# Altium PCB Thunderscope_Rev4.1.PCBDOC (part 3 of 7)
Units mm, origin at the board's own origin, x right, y up, seen from the top; angles counter-clockwise.
Board outline 119 x 103.6 mm, 6 copper layers (Top Layer, Int1 (GND), Int2 (Sign), Int3 (Sign), Int4 (GND), Bottom Layer), stack 1.49 mm thick; 657 components, 383 nets, 2206 pads, 1358 vias.
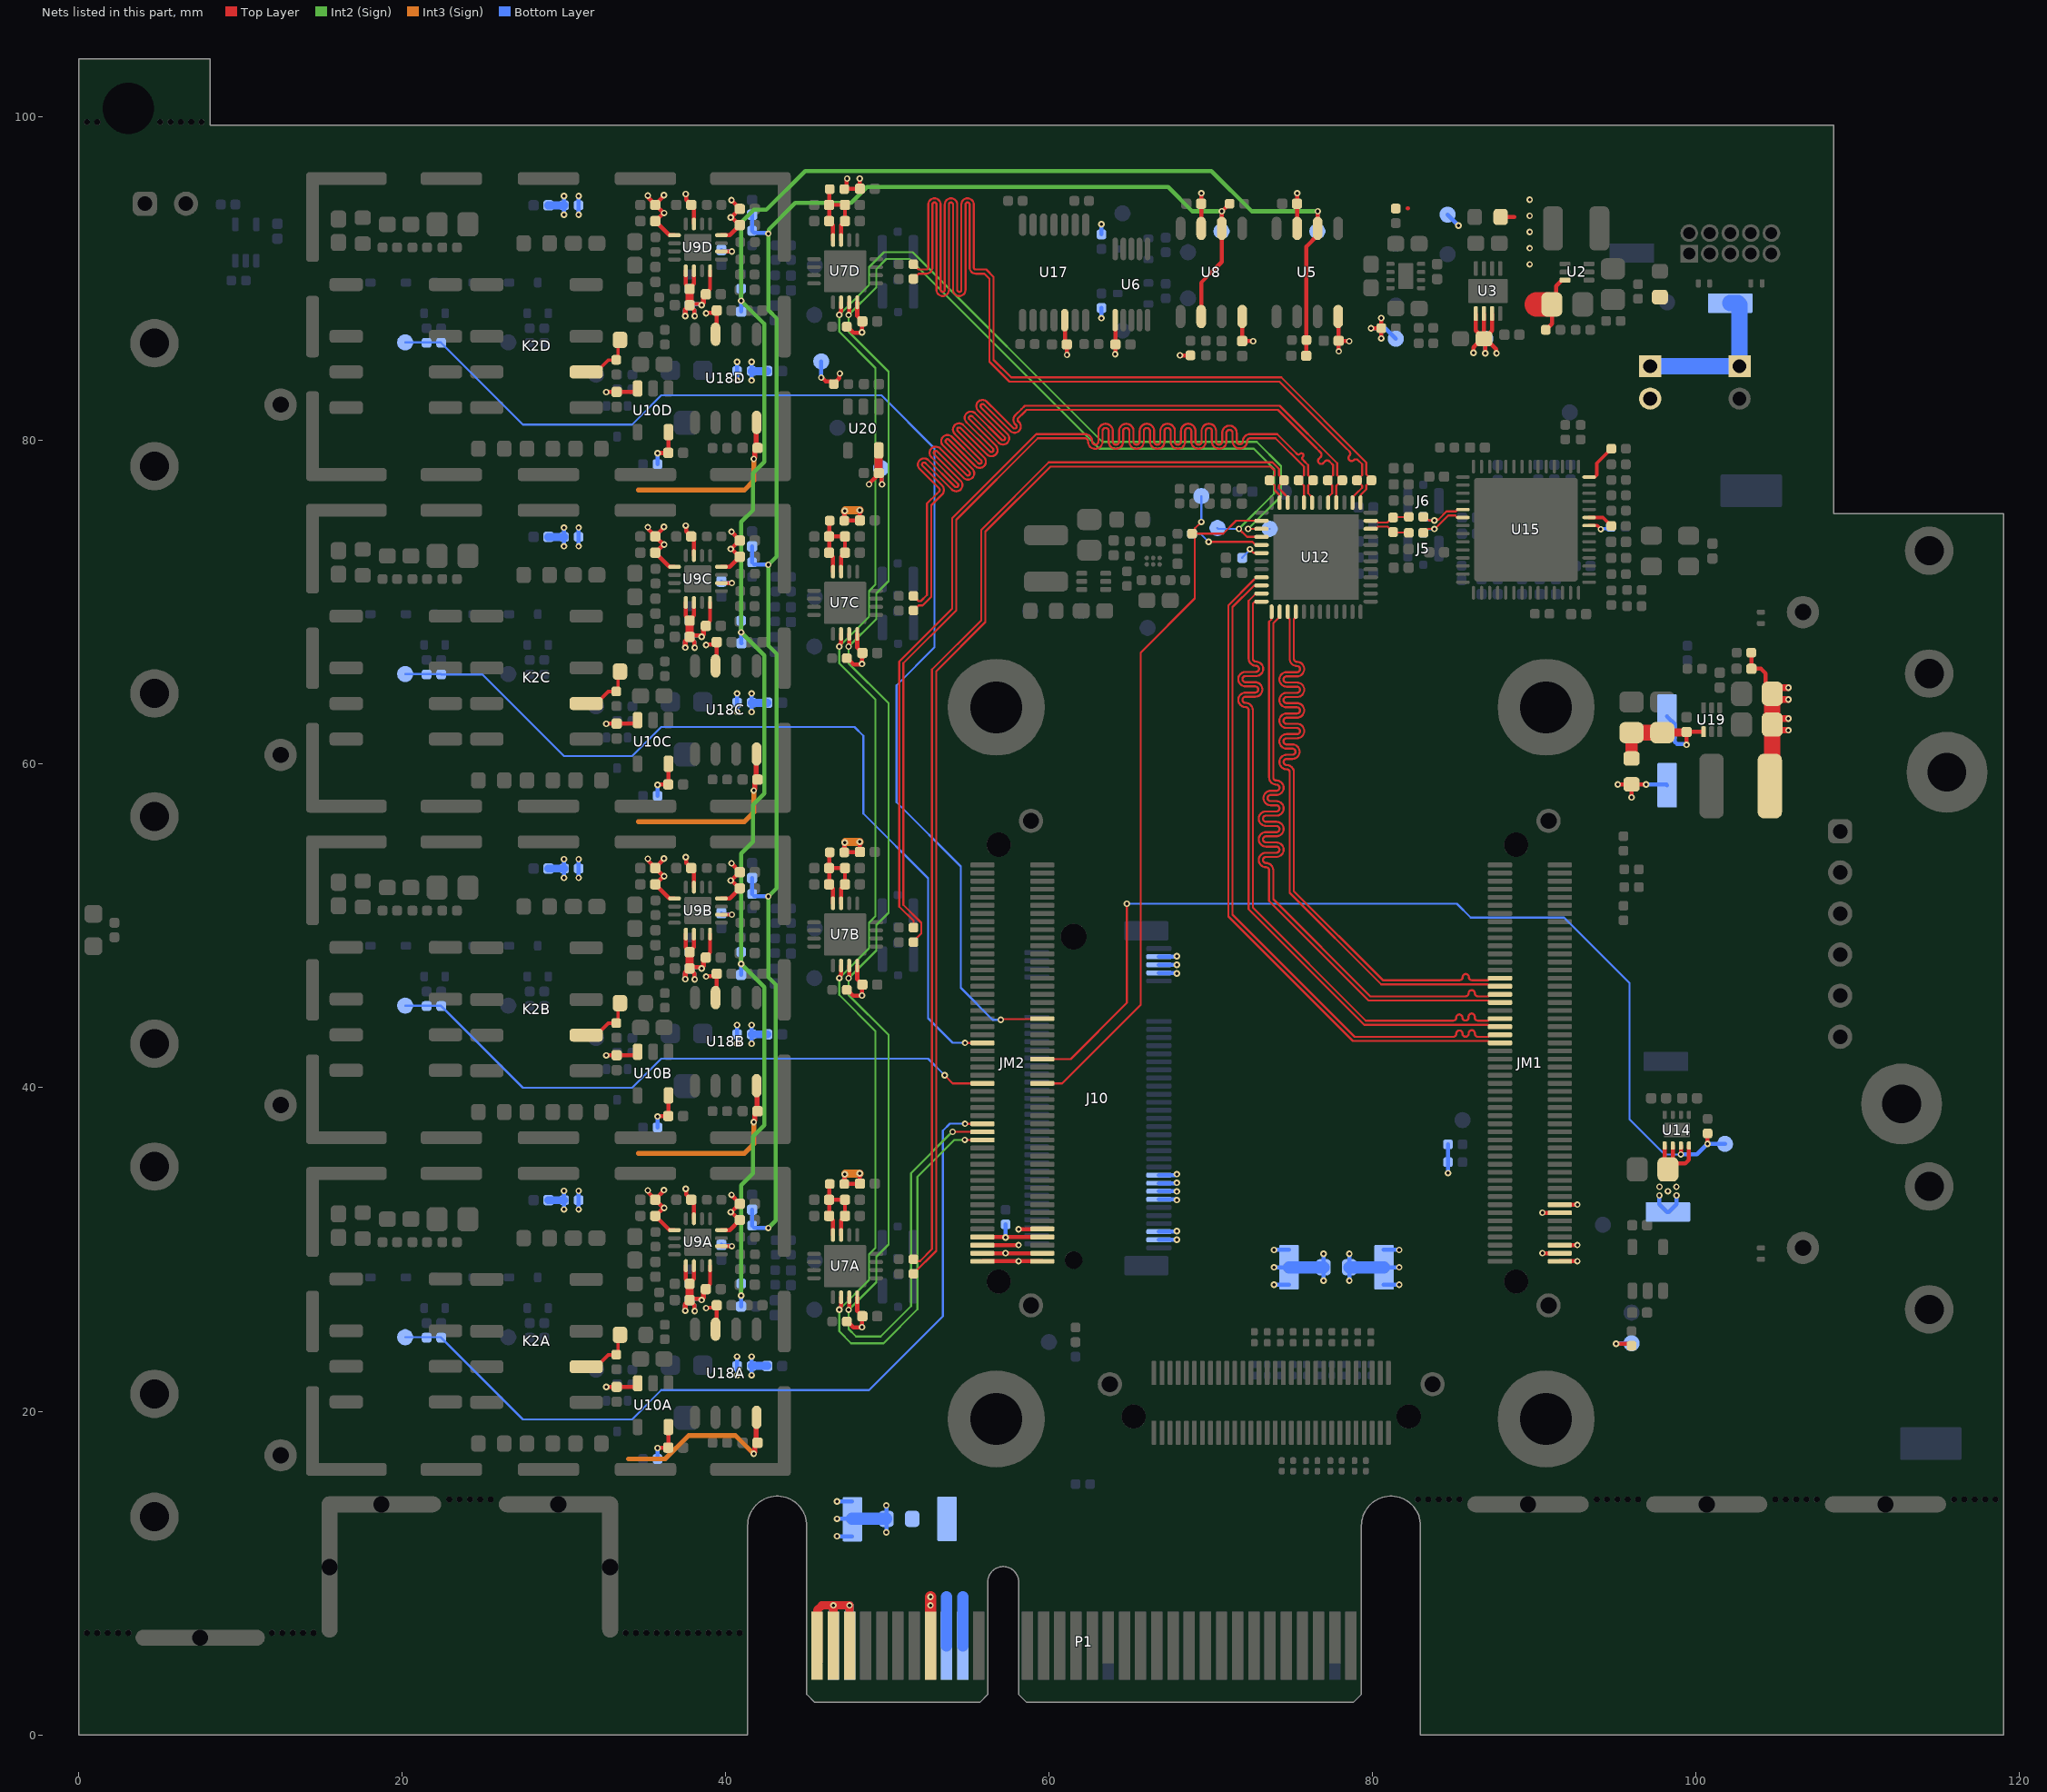
[diagram p7: the nets of this part, all layers, seen from the top]

## Via types
v1: diameter 0.406, hole 0.203, Top Layer to Bottom Layer, tented both sides, 1358 vias

## Nets (pads, with @x,y where several pads share a name; then routed paths per layer and width w, separated by ;. In a path a pad name is that pad's centre, name@x,y a point inside that pad or via, vN(x,y) a via of type N, cw(c..) or ccw(c..) an arc to the next point about the centre after c; other vN are vias at no path point) (continued)
+3V3_IN: C91.2 JM1.2 JM1.4 JM1.6 JM1.14 JM1.16 JM2.1 JM2.2 JM2.3 JM2.4 JM2.5 JM2.7 JM2.8 JM2.10 R66.2 R87.2 R95.2 R101.2 R102.2 R104.1 TP14.1 TP32.1 TP41.1 TP46.1 U14.1 U14.2 U14.4 | length 45.7
  Top Layer w0.254: JM2.1@55.867,29.271 55.869,29.273 58.098,29.273 v1(58.1,29.275) 58.102,29.273 59.565,29.273 JM2.2@59.567,29.271 ; JM2.3@55.867,29.771 55.869,29.773 57.298,29.773 v1(57.3,29.775) 57.302,29.773 59.565,29.773 JM2.4@59.567,29.771 ; JM2.5@55.867,30.271 58.096,30.271 v1(58.1,30.275) ; JM2.7@55.867,30.771 55.877,30.76 57.29,30.76 v1(57.3,30.75) 57.31,30.76 59.557,30.76 JM2.8@59.567,30.771 ; v1(58.1,31.25) 58.11,31.26 59.557,31.26 JM2.10@59.567,31.271 ; v1(90.487,29.775) 90.489,29.773 91.565,29.773 JM1.4@91.567,29.771 ; v1(90.487,32.275) 90.489,32.273 91.565,32.273 JM1.14@91.567,32.271 ; JM1.2@91.567,29.271 91.569,29.273 92.645,29.273 v1(92.647,29.275) ; JM1.6@91.567,30.271 91.569,30.273 92.645,30.273 v1(92.647,30.275) ; JM1.16@91.567,32.771 91.569,32.773 92.645,32.773 v1(92.647,32.775) ; v1(95.05,24.175) 95.875,24.175 R104.1@96,24.05 ; U14.1@98.05,36.425 98.052,36.423 98.052,35.148 C91.2@98.25,34.95 C91.2@98.548,35.248 ; U14.2@98.55,36.425 98.548,36.423 C91.2@98.548,35.248 ; U14.4@99.55,36.425 99.55,35.55 99.309,35.309 98.609,35.309 C91.2@98.548,35.248
  Bottom Layer w0.254: v1(46.87,12.275) TP41.1@47.8,12.275 ; v1(46.87,13.35) TP41.1@47.8,13.35 ; v1(46.87,14.425) TP41.1@47.8,14.425 ; v1(49.925,12.52) R87.2@49.925,13.35 v1(49.925,14.18) ; v1(57.3,30.75) R66.2@57.3,31.55 ; v1(78.55,28.07) R95.2@78.55,28.9 v1(78.55,29.73) ; TP46.1@80.675,27.825 v1(81.63,27.825) ; TP46.1@80.675,28.9 v1(81.63,28.9) ; TP46.1@80.675,29.975 v1(81.63,29.975) ; v1(84.65,34.725) R102.2@84.65,35.4 R101.2@84.65,36.5 ; v1(95.05,24.175) 95.063,24.188 95.988,24.188 TP14.1@96,24.2 ; v1(97.722,33.345) 97.722,32.798 98.195,32.325 TP32.1@98.25,32.325 98.302,32.325 98.775,32.798 v1(98.775,33.345)
  Bottom Layer w0.75: TP41.1@47.8,13.35 R87.2@49.925,13.35 ; R95.2@78.55,28.9 80.675,28.9 TP46.1@80.7,28.9
  other v1: 98.25,33.6 97.727,33.878 98.773,33.878
+3V3_M2: J10.3 J10.5 J10.13 J10.15 J10.17 J10.19 J10.69 J10.71 J10.73 R95.1 TP45.1 | length 16.6
  Bottom Layer w0.254: J10.3@66.775,30.6 v1(67.88,30.6) ; J10.5@66.775,31.1 67.805,31.1 67.839,31.133 v1(67.88,31.133) ; J10.13@66.775,33.1 67.797,33.1 67.839,33.058 v1(67.88,33.058) ; J10.15@66.775,33.6 66.779,33.596 67.876,33.596 v1(67.88,33.592) ; J10.17@66.775,34.1 67.855,34.1 v1(67.88,34.125) ; J10.19@66.775,34.6 67.78,34.6 67.839,34.658 v1(67.88,34.658) ; J10.69@66.775,47.1 66.792,47.083 67.863,47.083 v1(67.88,47.067) ; J10.71@66.775,47.6 v1(67.88,47.6) ; J10.73@66.775,48.1 67.805,48.1 67.839,48.133 v1(67.88,48.133) ; v1(73.895,27.825) TP45.1@74.825,27.825 ; v1(73.895,28.9) TP45.1@74.825,28.9 ; v1(73.895,29.975) TP45.1@74.825,29.975 ; v1(76.95,28.07) R95.1@76.95,28.9 v1(76.95,29.73)
  Bottom Layer w0.75: TP45.1@74.825,28.9 R95.1@76.95,28.9
+3V3_PCIe: P1.A9 P1.A10 P1.B8 R87.1 TP40.1 | length 9.1
  Top Layer w0.7: P1.B8@52.65,5.5 v1(52.65,8) v1(52.65,8.533)
  Bottom Layer w0.7: P1.A9@53.65,5.5 53.65,8.525 ; P1.A10@54.65,5.5 54.65,8.525
+3V3_PGA: C36A.2 C36B.2 C36C.2 C36D.2 C126.2 R51A.2 R51B.2 R51C.2 R51D.2 TP53.1 U7A.12 U7B.12 U7C.12 U7D.12 U20.5 | length 16.5
  Top Layer w0.254: R51A.2@47.5,25.55 47.512,25.55 47.887,25.175 48.4,25.175 v1(48.425,25.2) 48.432,25.207 48.432,25.868 C36A.2@48.44,25.875 48.44,25.893 48.125,26.208 U7A.12@48.125,27.05 ; R51B.2@47.5,46.05 47.512,46.05 47.887,45.675 48.4,45.675 v1(48.425,45.7) 48.432,45.707 48.432,46.368 C36B.2@48.44,46.375 48.44,46.393 48.125,46.708 U7B.12@48.125,47.55 ; R51C.2@47.5,66.55 47.512,66.55 47.887,66.175 48.4,66.175 v1(48.425,66.2) 48.432,66.208 48.432,66.868 C36C.2@48.44,66.875 48.44,66.893 48.125,67.208 U7C.12@48.125,68.05 ; R51D.2@47.5,87.05 47.512,87.05 47.887,86.675 48.4,86.675 v1(48.425,86.7) 48.432,86.707 48.432,87.368 C36D.2@48.44,87.375 48.44,87.393 48.125,87.708 U7D.12@48.125,88.55 ; v1(48.856,77.3) 48.856,77.341 49.287,77.772 49.287,77.827 C126.2@49.46,78 49.621,77.839 49.621,77.329 v1(49.65,77.3)
  Top Layer w0.5: U20.5@49.45,79.4 49.455,79.395 49.455,78.005 C126.2@49.46,78
  Bottom Layer w0.254: TP53.1@49.6,78.3 49.625,78.275 49.625,77.325 v1(49.65,77.3)
+5V: C7.2 C12.1 C13.2 C17.1 C107.2 C111A.2 C111B.2 C111C.2 C111D.2 C132A.2 C132B.2 C132C.2 C132D.2 FB8A.2 FB8B.2 FB8C.2 FB8D.2 FB9A.1 FB9B.1 FB9C.1 FB9D.1 R22.2 R23.2 R24.2 R117.1 TP10.1 TP54.1 U3.1 U3.2 U3.3 U5.7 U6.1 U8.7 U17.12 | length 42.6
  Top Layer w0.254: v1(45.9,83.9) 45.941,83.9 46.182,83.659 46.516,83.659 R117.1@46.675,83.5 46.675,83.512 47.021,83.858 47.021,84.121 v1(47.05,84.15) ; FB8C.2@47.325,75.05 FB8C.2@47.337,75.062 ; v1@47.337,34.638 47.337,34.062 C132A.2@48.277,34.062 ; v1@47.337,55.138 47.337,54.562 C132B.2@48.277,54.562 ; v1(47.35,75.65) 47.337,75.638 FB8C.2@47.337,75.062 ; FB8D.2@47.45,95.55 FB8D.2@47.325,95.55 FB8D.2@47.337,95.562 ; v1(47.5,96.2) 47.5,96.159 47.461,96.119 47.461,95.686 FB8D.2@47.337,95.562 ; v1(48.275,96.2) 48.282,96.193 48.282,95.582 C132D.2@48.29,95.575 48.277,95.562 FB8D.2@47.337,95.562 ; C132C.2@48.277,75.062 FB8C.2@47.337,75.062 ; C132A.2@48.282,34.082 v1@48.282,34.693 ; C132B.2@48.282,54.582 v1@48.282,55.193 ; C132C.2@48.282,75.082 v1@48.282,75.693 ; U17.12@60.95,87.45 60.988,87.412 60.988,86.048 C107.2@61.085,85.95 C107.2@61.091,85.944 ; v1(61.096,85.304) 61.091,85.309 61.091,85.933 C107.2@61.096,85.939 ; v1(64.075,85.35) 64.082,85.357 64.082,85.992 64.09,86 64.083,86.007 64.083,87.443 U6.1@64.075,87.45 ; v1(68.075,85.275) R24.2@68.725,85.275 ; U8.7@69.387,93.127 C17.1@69.387,94.648 ; C17.1@69.39,94.655 v1@69.39,95.295 ; U5.7@75.32,93.125 75.318,93.127 75.318,94.648 C12.1@75.315,94.65 75.32,94.655 75.32,95.295 v1(75.325,95.3) ; v1(86.225,85.425) 86.225,85.775 86.402,85.952 86.417,85.952 86.765,86.3 C7.2@86.875,86.3 ; U3.1@86.375,87.855 86.375,86.81 C7.2@86.875,86.31 ; U3.2@86.875,87.855 C7.2@86.875,86.31 ; v1(86.95,85.4) 86.95,86.075 86.875,86.15 C7.2@86.875,86.3 ; U3.3@87.375,87.855 87.375,86.81 C7.2@86.875,86.31 ; v1(87.65,85.4) 87.621,85.429 87.621,85.654 86.975,86.3 C7.2@86.875,86.3 ; C7.2@86.875,86.3 C7.2@86.875,86.31
  Int3 (Sign) w0.5: v1(47.35,75.65) 47.4,75.7 v1(48.275,75.7) ; v1@47.4,34.7 v1(48.275,34.7) ; v1@47.4,55.2 v1(48.275,55.2)
  Bottom Layer w0.254: v1(41.6,22.225) FB9A.1@41.6,22.8 ; FB9A.1@41.6,22.812 v1(41.6,23.375) ; v1(41.6,42.725) FB9B.1@41.6,43.3 ; FB9B.1@41.6,43.312 v1(41.6,43.875) ; v1(41.6,63.225) FB9C.1@41.6,63.8 ; FB9C.1@41.6,63.812 v1(41.6,64.375) ; v1(41.6,83.725) FB9D.1@41.6,84.3 ; FB9D.1@41.6,84.312 v1(41.6,84.875) ; v1(45.9,83.9) TP54.1@45.9,84.9 ; v1(63.225,87.575) R23.2@63.225,88.2 ; R22.2@63.225,92.75 v1(63.225,93.375) ; v1(86.95,85.4) TP10.1@86.95,86.3
  Bottom Layer w0.5: FB9A.1@41.6,22.8 C111A.2@42.565,22.8 ; FB9B.1@41.6,43.3 C111B.2@42.565,43.3 ; FB9C.1@41.6,63.8 C111C.2@42.565,63.8 ; FB9D.1@41.6,84.3 C111D.2@42.565,84.3
  other v1: 47.35,34.65 47.35,55.15 69.395,95.3
+5V2: C3.2 C118.2 C122.2 C123.2 L3.2 R7.1 R8.1 R10.2 R113.2 TP13.1 U2.6 | length 18.9
  Top Layer w0.254: R8.1@81.425,94.35 R8.1@81.437,94.363 ; 82.163,94.363 82.175,94.375 ; R7.1@87.905,93.825 88.755,93.825 ; R10.2@90.7,86.85 91.075,87.225 C3.2@91.075,88.425 ; C3.2@91.05,88.45 C3.2@91.075,88.425 ; U2.6@91.885,89.925 91.7,89.925 91.337,89.562 91.337,88.687 C3.2@91.075,88.425 ; R113.2@103.4,66.9 103.405,66.895 103.405,65.905 C118.2@103.41,65.9 104,65.9 104.299,65.601 104.299,64.751 C123.2@104.7,64.35 C123.2@105,64.65
  Top Layer w0.406: C122.2@105.075,62.1 v1(105.7,62.1) ; C122.2@105.075,62.825 v1(105.7,62.825) ; C123.2@105.075,64 v1(105.7,64) ; C123.2@105.075,64.725 v1(105.7,64.725)
  Top Layer w0.408: C122.2@104.7,62.45 C122.2@105.075,62.825
  Top Layer w1: L3.2@104.55,58.65 104.7,58.8 C122.2@104.7,62.45 C123.2@104.7,64.35
  Top Layer w1.5: 90.125,88.425 C3.2@90.8,88.425
  Bottom Layer w0.254: TP13.1@84.625,93.975 v1(85.3,93.3)
  other v1: 89.7,90.9 89.7,91.9 89.7,92.9 89.7,93.9 89.7,94.9
+12V: C119.2 C120.2 C121.1 R116.2 TP51.1 U19.1 | length 9.4
  Top Layer w0.254: v1(99.4,61.2) C121.1@99.4,61.99 99.41,62 100.44,62 U19.1@100.45,62.01
  Top Layer w0.5: C120.2@97.9,61.95 97.92,61.97 99.38,61.97 C121.1@99.4,61.99
  Top Layer w0.75: R116.2@96,60.35 C119.2@96,61.95
  Top Layer w1: C119.2@96,61.95 C120.2@97.9,61.95
  Bottom Layer w0.254: TP51.1@98.2,62.95 98.673,62.477 98.673,61.388 98.822,61.239 99.361,61.239 v1(99.4,61.2)
+12V_PCIe: P1.A2 P1.A3 P1.B1 P1.B2 P1.B3 R116.1 TP50.1 | length 18.2
  Top Layer w0.254: v1(95.15,58.75) R116.1@96,58.75 ; v1(96,57.95) R116.1@96,58.75 ; v1(96.9,58.75) R116.1@96,58.75
  Top Layer w0.5: P1.B1@45.65,5.5 45.65,7.707 45.943,8 v1(46.65,8) v1(47.65,8)
  Top Layer w0.508: P1.B2@46.65,5.5 v1(46.65,8) ; P1.B3@47.65,5.5 v1(47.65,8)
  Bottom Layer w0.254: v1(96.9,58.75) 98.15,58.75 TP50.1@98.2,58.7
  Bottom Layer w0.508: P1.A2@46.65,5.5 v1(46.65,8) ; P1.A3@47.65,5.5 v1(47.65,8)
+VBIAS: C130A.1 C130B.1 C130C.1 C130D.1 FB6A.1 FB6B.1 FB6C.1 FB6D.1 R16.1 TP17.1 U8.2 U8.6 | length 109
  Top Layer w0.254: U8.2@69.39,87.675 69.39,89.77 70.66,91.04 U8.6@70.66,93.125 70.665,93.13 70.665,94.175 v1(70.67,94.18) 70.675,94.18 71.145,94.65 R16.1@71.15,94.65
  Int2 (Sign) w0.254: v1(42.625,31.325) 43.075,31.775 43.075,46.375 42.625,46.825 v1(42.625,51.825) 43.15,52.35 43.15,66.8 42.625,67.325 v1(42.625,72.325) 43.15,72.85 43.15,87.55 42.625,88.075 v1(42.625,92.8) 42.654,92.829 42.654,93.054 44.3,94.7 47.75,94.7 48.725,95.675 67.35,95.675 68.845,94.18 v1(70.67,94.18)
  Bottom Layer w0.254: FB6A.1@41.625,31.475 C130A.1@41.625,32.465 ; FB6B.1@41.625,51.975 C130B.1@41.625,52.965 ; FB6C.1@41.625,72.475 C130C.1@41.625,73.465 ; C130D.1@41.625,93.965 FB6D.1@41.625,92.975 41.76,92.84 42.544,92.84 42.584,92.8 v1(42.625,92.8) ; FB6A.1@41.76,31.34 v1@42.544,31.34 ; FB6B.1@41.76,51.84 v1@42.544,51.84 ; FB6C.1@41.76,72.34 v1@42.544,72.34 ; TP17.1@70.65,92.95 70.66,92.96 70.66,94.17 v1(70.67,94.18)
+VFFEA: C37A.2 C38A.1 C39A.1 C63A.1 C64A.2 C78A.2 C101A.2 FB9A.2 R125A.2 U9A.1 U9A.12 U9A.15 U10A.5 U18A.7 | length 16.2
  Top Layer w0.25: v1(35.175,33.654) 35.215,33.615 35.215,33.514 35.635,33.094 C38A.1@35.635,33.075 C38A.1@35.654,33.075 ; C63A.1@35.635,32.075 36.508,31.202 36.548,31.202 36.55,31.2 U9A.1@36.825,31.2 ; C63A.1@35.654,32.075 36.151,32.572 v1(36.185,32.572) ; v1@36.125,32.575 36.125,32.604 C38A.1@35.654,33.075 ; v1(36.175,33.675) 36.175,33.634 35.654,33.113 C38A.1@35.654,33.075 ; v1(37.525,33.75) 37.555,33.72 37.555,33.399 38.025,32.929 U9A.15@38.025,31.9 ; v1(38.775,26.375) 38.805,26.405 39.395,26.405 C37A.2@39.431,26.441 ; U9A.12@39.725,31.2 40.24,31.2 C78A.2@40.865,31.825 40.846,31.825 40.403,32.268 40.342,32.268 v1(40.303,32.307) 40.329,32.307 C39A.1@40.846,32.825 ; v1(40.35,33.375) 40.35,33.358 40.846,32.861 C39A.1@40.846,32.825
  Top Layer w0.254: v1(35.775,17.725) 35.788,17.738 36.427,17.738 36.445,17.755 U10A.5@36.445,19.02 ; U10A.5@36.445,19.145 U10A.5@36.45,19.15 ; U18A.7@39.365,25.075 39.431,25.141 C37A.2@39.431,26.441 ; U18A.7@39.415,25.075 U18A.7@39.453,25.113
  Bottom Layer w0.254: R125A.2@35.775,17.05 v1(35.775,17.725) ; v1(40.7,22.225) FB9A.2@40.7,22.8 ; FB9A.2@40.7,22.812 v1(40.7,23.375)
+VFFEB: C37B.2 C38B.1 C39B.1 C63B.1 C64B.2 C78B.2 C101B.2 FB9B.2 R125B.2 U9B.1 U9B.12 U9B.15 U10B.5 U18B.7 | length 16.2
  Top Layer w0.25: v1(35.175,54.154) 35.215,54.115 35.215,54.014 35.635,53.594 C38B.1@35.635,53.575 C38B.1@35.654,53.575 ; C63B.1@35.635,52.575 36.508,51.702 36.548,51.702 36.55,51.7 U9B.1@36.825,51.7 ; C63B.1@35.654,52.575 36.151,53.072 v1(36.185,53.072) ; v1@36.125,53.075 36.125,53.104 C38B.1@35.654,53.575 ; v1(36.175,54.175) 36.175,54.134 35.654,53.613 C38B.1@35.654,53.575 ; v1(37.525,54.25) 37.555,54.22 37.555,53.899 38.025,53.429 U9B.15@38.025,52.4 ; v1(38.775,46.875) 38.805,46.905 39.395,46.905 C37B.2@39.431,46.941 ; U9B.12@39.725,51.7 40.24,51.7 C78B.2@40.865,52.325 40.846,52.325 40.403,52.768 40.342,52.768 v1(40.303,52.807) 40.329,52.807 C39B.1@40.846,53.325 ; v1(40.35,53.875) 40.35,53.858 40.846,53.361 C39B.1@40.846,53.325
  Top Layer w0.254: v1(35.775,38.225) 35.788,38.238 36.427,38.238 36.445,38.255 U10B.5@36.445,39.52 ; U10B.5@36.445,39.645 U10B.5@36.45,39.65 ; U18B.7@39.365,45.575 39.431,45.641 C37B.2@39.431,46.941 ; U18B.7@39.415,45.575 U18B.7@39.453,45.613
  Bottom Layer w0.254: R125B.2@35.775,37.55 v1(35.775,38.225) ; v1(40.7,42.725) FB9B.2@40.7,43.3 ; FB9B.2@40.7,43.312 v1(40.7,43.875)
+VFFEC: C37C.2 C38C.1 C39C.1 C63C.1 C64C.2 C78C.2 C101C.2 FB9C.2 R125C.2 U9C.1 U9C.12 U9C.15 U10C.5 U18C.7 | length 16.2
  Top Layer w0.25: v1(35.175,74.654) 35.215,74.615 35.215,74.514 35.635,74.094 C38C.1@35.635,74.075 C38C.1@35.654,74.075 ; C63C.1@35.635,73.075 36.508,72.202 36.548,72.202 36.55,72.2 U9C.1@36.825,72.2 ; C63C.1@35.654,73.075 36.151,73.572 v1(36.185,73.572) ; v1@36.125,73.575 36.125,73.604 C38C.1@35.654,74.075 ; v1(36.175,74.675) 36.175,74.634 35.654,74.113 C38C.1@35.654,74.075 ; v1(37.525,74.75) 37.555,74.72 37.555,74.399 38.025,73.929 U9C.15@38.025,72.9 ; v1(38.775,67.375) 38.805,67.405 39.395,67.405 C37C.2@39.431,67.441 ; U9C.12@39.725,72.2 40.24,72.2 C78C.2@40.865,72.825 40.846,72.825 40.403,73.268 40.342,73.268 v1(40.303,73.307) 40.329,73.307 C39C.1@40.846,73.825 ; v1(40.35,74.375) 40.35,74.358 40.846,73.861 C39C.1@40.846,73.825
  Top Layer w0.254: v1(35.775,58.725) 35.788,58.738 36.427,58.738 36.445,58.755 U10C.5@36.445,60.02 ; U10C.5@36.445,60.145 U10C.5@36.45,60.15 ; U18C.7@39.365,66.075 39.431,66.141 C37C.2@39.431,67.441 ; U18C.7@39.415,66.075 U18C.7@39.453,66.113
  Bottom Layer w0.254: R125C.2@35.775,58.05 v1(35.775,58.725) ; v1(40.7,63.225) FB9C.2@40.7,63.8 ; FB9C.2@40.7,63.812 v1(40.7,64.375)
+VFFED: C37D.2 C38D.1 C39D.1 C63D.1 C64D.2 C78D.2 C101D.2 FB9D.2 R125D.2 U9D.1 U9D.12 U9D.15 U10D.5 U18D.7 | length 16.2
  Top Layer w0.25: v1(35.175,95.154) 35.215,95.115 35.215,95.014 35.635,94.594 C38D.1@35.635,94.575 C38D.1@35.654,94.575 ; C63D.1@35.635,93.575 36.508,92.702 36.548,92.702 36.55,92.7 U9D.1@36.825,92.7 ; C63D.1@35.654,93.575 36.151,94.072 v1(36.185,94.072) ; v1@36.125,94.075 36.125,94.104 C38D.1@35.654,94.575 ; v1(36.175,95.175) 36.175,95.134 35.654,94.613 C38D.1@35.654,94.575 ; v1(37.525,95.25) 37.555,95.22 37.555,94.899 38.025,94.429 U9D.15@38.025,93.4 ; v1(38.775,87.875) 38.805,87.905 39.395,87.905 C37D.2@39.431,87.941 ; U9D.12@39.725,92.7 40.24,92.7 C78D.2@40.865,93.325 40.846,93.325 40.403,93.768 40.342,93.768 v1(40.303,93.807) 40.329,93.807 C39D.1@40.846,94.325 ; v1(40.35,94.875) 40.35,94.858 40.846,94.361 C39D.1@40.846,94.325
  Top Layer w0.254: v1(35.775,79.225) 35.788,79.238 36.427,79.238 36.445,79.255 U10D.5@36.445,80.52 ; U10D.5@36.445,80.645 U10D.5@36.45,80.65 ; U18D.7@39.365,86.575 39.431,86.641 C37D.2@39.431,87.941 ; U18D.7@39.415,86.575 U18D.7@39.453,86.613
  Bottom Layer w0.254: R125D.2@35.775,78.55 v1(35.775,79.225) ; v1(40.7,83.725) FB9D.2@40.7,84.3 ; FB9D.2@40.7,84.312 v1(40.7,84.875)
+VPGAA: C32A.2 C33A.2 C34A.2 C35A.2 FB8A.1 U7A.3 U7A.4 | length 6.6
  Top Layer w0.25: C34A.2@46.385,33.094 C32A.2@46.385,32.075 46.385,32.056 46.625,31.816 U7A.4@46.625,30.9 ; FB8A.1@46.425,34.05 46.405,34.07 46.405,33.095 C34A.2@46.385,33.075 C35A.2@47.365,33.075 ; U7A.3@47.125,30.9 47.125,31.816 47.365,32.056 C33A.2@47.365,32.075 C35A.2@47.365,33.075 ; C35A.2@47.345,33.095 C35A.2@47.365,33.075
+VPGAB: C32B.2 C33B.2 C34B.2 C35B.2 FB8B.1 U7B.3 U7B.4 | length 6.6
  Top Layer w0.25: C34B.2@46.385,53.594 C32B.2@46.385,52.575 46.385,52.556 46.625,52.316 U7B.4@46.625,51.4 ; FB8B.1@46.405,54.57 FB8B.1@46.425,54.55 46.405,54.53 46.405,53.595 C34B.2@46.385,53.575 C35B.2@47.365,53.575 ; U7B.3@47.125,51.4 47.125,52.316 47.365,52.556 C33B.2@47.365,52.575 C35B.2@47.365,53.575 ; C35B.2@47.345,53.595 C35B.2@47.365,53.575
+VPGAC: C32C.2 C33C.2 C34C.2 C35C.2 FB8C.1 U7C.3 U7C.4 | length 6.6
  Top Layer w0.25: C34C.2@46.385,74.094 C32C.2@46.385,73.075 46.385,73.056 46.625,72.816 U7C.4@46.625,71.9 ; FB8C.1@46.405,75.07 FB8C.1@46.425,75.05 46.405,75.03 46.405,74.095 C34C.2@46.385,74.075 C35C.2@47.365,74.075 ; U7C.3@47.125,71.9 47.125,72.816 47.365,73.056 C33C.2@47.365,73.075 C35C.2@47.365,74.075 ; C35C.2@47.345,74.095 C35C.2@47.365,74.075
+VPGAD: C32D.2 C33D.2 C34D.2 C35D.2 FB8D.1 U7D.3 U7D.4 | length 6.6
  Top Layer w0.25: C34D.2@46.385,94.594 C32D.2@46.385,93.575 46.385,93.556 46.625,93.316 U7D.4@46.625,92.4 ; FB8D.1@46.405,95.57 FB8D.1@46.425,95.55 46.405,95.53 46.405,94.595 C34D.2@46.385,94.575 C35D.2@47.365,94.575 ; U7D.3@47.125,92.4 47.125,93.316 47.365,93.556 C33D.2@47.365,93.575 C35D.2@47.365,94.575 ; C35D.2@47.345,94.595 C35D.2@47.365,94.575
+VUSB: J12.1 J12.2 J13.1 R3.2 TP18.1 | length 9.9
  Bottom Layer w1: J12.1@97.15,84.6 J13.1@102.675,84.6 102.675,88.4 102.575,88.5 TP18.1@102.1,88.5
-5V: C14.2 C18.2 C133A.1 C133B.1 C133C.1 C133D.1 FB10A.1 FB10B.1 FB10C.1 FB10D.1 R9.2 TP15.1 U5.4 U8.4 | length 17.1
  Top Layer w0.25: U5.4@77.86,87.675 77.895,87.64 77.895,85.53 v1(77.9,85.525) ; C14.2@77.903,86.163 78.528,86.163 v1(78.54,86.15) ; v1(79.895,86.95) R9.2@80.525,86.95 ; v1(80.525,86.32) R9.2@80.525,86.95 ; v1(80.525,87.58) R9.2@80.525,86.95
  Top Layer w0.254: U8.4@71.93,87.675 71.927,87.672 71.927,86.162 C18.2@71.925,86.16 71.93,86.155 72.595,86.155 v1(72.6,86.15)
  Bottom Layer w0.25: v1(79.895,86.95) 80.775,86.95 TP15.1@81.425,86.3
  Bottom Layer w0.254: v1(30,32.475) FB10A.1@30,33.038 ; FB10A.1@30,33.05 v1(30,33.625) ; v1(30,52.975) FB10B.1@30,53.538 ; FB10B.1@30,53.55 v1(30,54.125) ; v1(30,73.475) FB10C.1@30,74.038 ; FB10C.1@30,74.05 v1(30,74.625) ; v1(30,93.975) FB10D.1@30,94.538 ; FB10D.1@30,94.55 v1(30,95.125)
  Bottom Layer w0.5: C133A.1@29.035,33.05 FB10A.1@30,33.05 ; C133B.1@29.035,53.55 FB10B.1@30,53.55 ; C133C.1@29.035,74.05 FB10C.1@30,74.05 ; C133D.1@29.035,94.55 FB10D.1@30,94.55
-VBIAS: C100.1 C129A.1 C129B.1 C129C.1 C129D.1 FB4A.2 FB4B.2 FB4C.2 FB4D.2 R14.2 TP19.1 U5.6 | length 123.7
  Top Layer w0.254: C100.1@75.885,85.25 75.892,85.258 75.892,86.217 R14.2@75.9,86.225 ; R14.2@75.9,86.486 75.9,92.01 76.59,92.7 U5.6@76.59,93.125 76.595,93.13 76.595,94.175 v1(76.601,94.18)
  Int2 (Sign) w0.254: v1(40.95,27.15) 40.95,33.975 41.675,34.7 41.675,36.978 42.382,37.686 42.382,46.218 v1(40.95,47.65) 40.95,54.475 41.675,55.2 41.675,57.478 42.382,58.186 42.382,66.718 v1(40.95,68.15) 40.95,74.975 41.675,75.7 41.675,77.978 42.382,78.686 42.382,87.218 v1(40.95,88.65) 40.95,93.5 41.728,94.278 42.503,94.278 44.9,96.675 70.025,96.675 72.52,94.18 v1(76.601,94.18)
  Bottom Layer w0.254: C129A.1@40.94,26.475 40.945,26.48 40.945,27.145 v1(40.95,27.15) FB4A.2@40.95,27.9 ; C129B.1@40.94,46.975 40.945,46.98 40.945,47.645 v1(40.95,47.65) FB4B.2@40.95,48.4 ; C129D.1@40.94,87.975 40.945,87.98 40.945,88.645 v1(40.95,88.65) FB4D.2@40.95,89.4 ; FB4C.2@40.95,68.9 FB4C.2@40.95,68.875 v1(40.95,68.15) 40.957,68.143 40.957,67.483 C129C.1@40.965,67.475 ; TP19.1@76.575,92.95 76.588,92.963 76.588,93.992 v1@76.601,94.005
-VFFEA: C102A.2 C108A.2 C109A.1 C110A.1 C124A.1 C127A.2 C128A.2 FB10A.2 R55A.2 U9A.5 U9A.6 U9A.8 U9A.10 U10A.3 U18A.4 | length 27
  Top Layer w0.127: C108A.2@37.76,27.875 C108A.2@37.76,27.927 ; C127A.2@38.765,27.55 C127A.2@38.765,27.602
  Top Layer w0.25: U9A.5@37.525,29 37.525,28.162 37.76,27.927 38.025,28.192 U9A.6@38.025,29 ; C109A.1@37.76,26.875 37.885,27 37.934,26.951 38.369,26.951 38.445,26.875 v1(38.5,26.875) ; C109A.1@37.854,26.763 38.054,26.563 38.054,26.221 v1(38.075,26.2) ; C127A.2@38.765,27.602 39.025,27.862 U9A.8@39.025,29 ; U9A.10@39.725,30.2 v1(40.375,30.2)
  Top Layer w0.254: v1(32.6,21.5) 32.605,21.505 33.245,21.505 C128A.2@33.25,21.51 34.379,21.51 34.55,21.681 U10A.3@34.55,21.725 U10A.3@34.55,21.85
  Top Layer w0.3: v1(37.487,26.212) 37.487,26.596 37.752,26.861 C109A.1@37.752,26.867 ; v1(38.5,26.875) 38.5,26.918 38.623,27.041 38.623,27.408 C127A.2@38.765,27.55 ; v1(41.725,17.375) 41.725,17.404 41.796,17.475 C124A.1@41.796,17.881 ; C124A.1@41.88,18.105 U18A.4@41.88,19.6 ; U18A.4@41.93,19.6 U18A.4@41.955,19.625 ; C124A.1@41.943,18.018 C124A.1@41.965,18.04
  Top Layer w0.5: C109A.1@37.76,26.875 C108A.2@37.76,27.875
  Int3 (Sign) w0.3: 33.975,17.052 36.252,17.052 37.7,18.5 40.6,18.5 v1(41.725,17.375)
  Bottom Layer w0.25: v1(37.487,26.212) 37.471,26.227 37.471,26.567 37.76,26.856 C102A.2@37.76,26.87 ; R55A.2@37.75,27.875 37.755,27.87 C102A.2@37.755,26.88 ; v1(38.075,26.2) 38.045,26.23 38.045,26.585 C102A.2@37.76,26.87 ; v1(38.5,26.875) 38.457,26.875 38.384,26.948 37.833,26.948 C102A.2@37.76,26.875 C102A.2@37.76,26.87 ; C110A.1@39.725,30.285 39.78,30.23 40.345,30.23 v1(40.375,30.2)